# Altium PCB PCB1.PcbDoc (part 1 of 2) (continued)
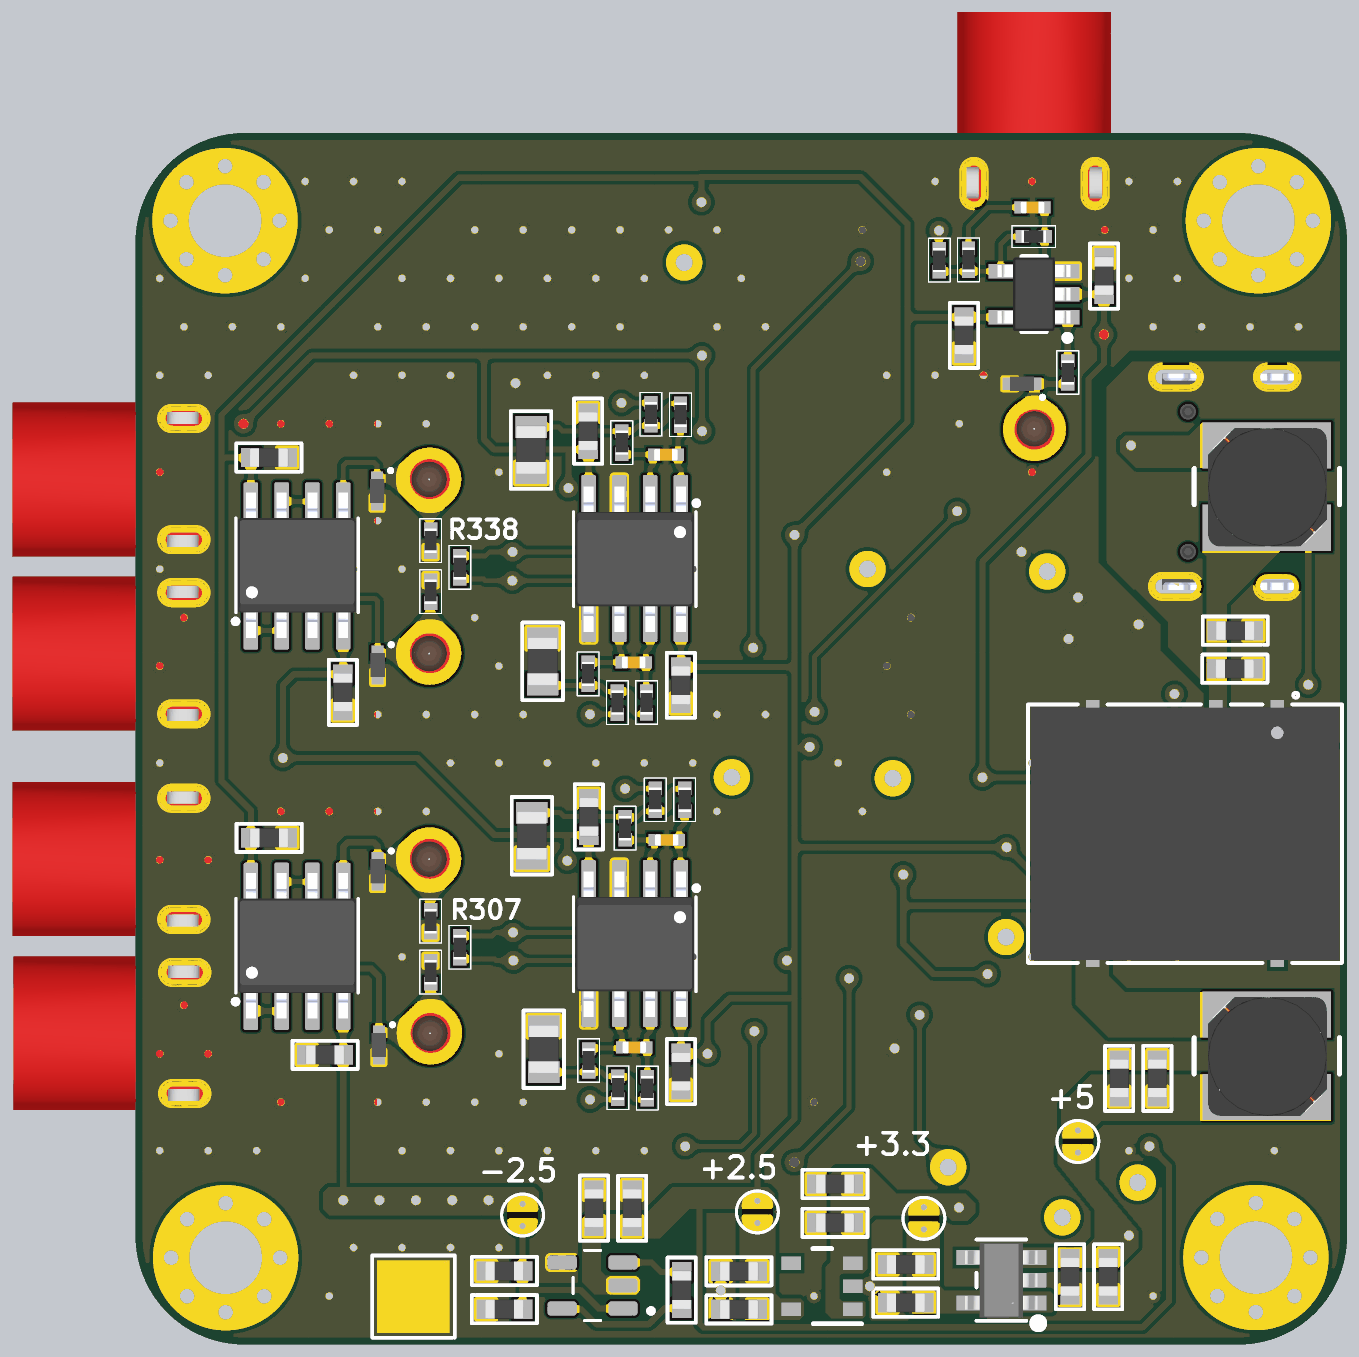
[diagram p6: 3D render of the assembled board from below, using the file's embedded part models]

## Layer stack, top to bottom
Top Solder: solder mask 0.2717, Solder Resist, Dk 3.5
TOP-SIG: signal copper 1.378
Dielectric 2: prepreg 8.2835, PP-006, Dk 4.1
GND1: plane copper 0.5984, net (Multiple Nets)
Dielectric 1: dielectric 41.9291, FR-4, Dk 4.8
GND2: plane copper 0.5984, net (Multiple Nets)
Dielectric 3: prepreg 8.2835, PP-006, Dk 4.1
BOT-SIG: signal copper 1.378
Bottom Solder: solder mask 0.2717, Solder Resist, Dk 3.5

## Board outline
175.83,0 cw(c175.83,175.83) 0,175.83 0,1791.85 cw(c176.65,1791.85) 176.65,1968.5 1790.95,1968.5 cw(c1790.95,1790.95) 1968.5,1790.95 1968.5,176.68 cw(c1791.82,176.68) 1791.82,0

## Design rules (kind name [scope] priority, off if disabled: settings)
Clearance [All] p1: gap=6 ignorepadtopadclearanceinfootprint=FALSE
DiffPairsRouting [All] p1: maxlimit=10 minlimit=10 mostfreqgap=10 toplayer_minwidth=8 toplayer_maxwidth=15 toplayer_prefwidth=15 bottomlayer_minwidth=8 bottomlayer_maxwidth=15 bottomlayer_prefwidth=15 maxuncoupledlength=500
PlaneClearance [All] p1: clearance=20
PlaneConnect [All] p1: planeconnectstyle=Relief reliefexpansion=20 reliefentries=4 reliefconductorwidth=10 reliefairgap=10
PolygonConnect PolygonConnect_1 [All vs IsNamedPolygon('+5_L04_P004')] p1: connectstyle=Direct reliefconductorwidth=10 reliefentries=4 polygonreliefangle="90 Angle" airgapwidth=10
PolygonConnect [InNet('+5')] p2: connectstyle=Direct reliefconductorwidth=10 reliefentries=4 polygonreliefangle="90 Angle" airgapwidth=10
RoutingVias [All] p1: holewidth=15.75 width=31.5 viastyle="Through Hole" minholewidth=15.75 minwidth=31.5 maxholewidth=15.75 maxwidth=31.5
SolderMaskExpansion [All] p1: expansion=4 istentingtop=FALSE
SupplyNets "Schematic Supply Nets_6" [InNet('+5_USB')] p1: voltage=0.000
SupplyNets "Schematic Supply Nets_5" [InNet('GND')] p2: voltage=0.000
SupplyNets "Schematic Supply Nets_4" [InNet('+2.5')] p3: voltage=0.000
SupplyNets "Schematic Supply Nets_3" [InNet('-2.5')] p4: voltage=0.000
SupplyNets "Schematic Supply Nets_2" [InNet('+3.3')] p5: voltage=0.000
SupplyNets "Schematic Supply Nets_1" [InNet('USB_GND')] p6: voltage=0.000
SupplyNets "Schematic Supply Nets" [InNet('+5')] p7: voltage=0.000
Width [All] p1: maxlimit=50 minlimit=8 preferedwidth=8 minimp=50.000000 maximp=50.000000 favimp=50.000000
27 further rules are at their usual default settings.

## Classes and differential pairs
component class Designator: ar C300 C301 C302 C303 C304 C305 C306 C307 C308 C309 C310 C311 C312 C313 C314 C315 C316 C317 C318 C319 C320 C321 C322 C323 C324 C325 C326 C327 C328 C329 C330 C331 C332 C333 C334 C335 C336 C337 C338 C339 C340 C341 C342 C343 C344 C345 C346 C347 C348 R300 R301 R302 R303 R304 R305 R306 R307 R308 R309 R310 R311 R312 R313 R314 R315 R316 R317 R318 R319 R320 R321 R322 R323 R324 R325 R326 R327 R328 R329 R330 R331 R332 R333 R334 R335 R336 R337 R338 R339 R340 R341 R342 R343 R344 R345 R346 R347 R348 R349 R350 R351 R352 R353 R354 R355 R356 R357 R358 R359 R360 R361 R362 R363 R364 TP300 TP301 TP302 TP303 TP304 TP305 TP306 TP307 TP308 U300 U301 U302 U303 U304 U305 U306 U307 U308 U309 U310 U311
differential pair USB_D: +USB_D_P -USB_D_N

## Components (designator, comment, footprint, x,y, rotation, side; value= is the part's Value field where it differs from the comment)
C100 "4.7 uF, 35 VDC" CAP_0603 183.61,1163 r0 bottom
C101 "100 nF, 50 VDC" CAP_0603 184.24,1101 r0 bottom
C102 "100 nF, 50 VDC" CAP_0603 311.12,430.36 r270 bottom
C103 "4.7 uF, 35 VDC" CAP_0603 373.12,430.36 r270 bottom
C104 "2.2 uF, 10 VDC" CAP_0603 447,112 r90 bottom
C105 "100 nF, 50 VDC" CAP_0603 385,112 r90 bottom
C106 "2.2 uF, 10 VDC" CAP_0603 715,127 r180 bottom
C107 "100 nF, 50 VDC" CAP_0603 715,65 r180 bottom
C108 "2.2 uF, 10 VDC" CAP_0603 830,257.8 r180 bottom
C109 "100 nF, 50 VDC" CAP_0603 830,194.75 r180 bottom
C110 "100 nF, 50 VDC" CAP_0603 986,54 r180 bottom
C111 "2.2 uF, 10 VDC" CAP_0603 986,116 r180 bottom
C112 "1 nF, 50 VDC" CAP_0603 1078.04,90.42 r90 bottom
C113 "1 nF, 50 VDC" CAP_0603 1226.54,219.55 r270 bottom
C114 "100 nF, 50 VDC" CAP_0603 1164.54,219.49 r270 bottom
C115 "100 nF, 50 VDC" CAP_0603 1367.1,54.36 r180 bottom
C116 "1 nF, 50 VDC" CAP_0603 1367.1,116.36 r180 bottom
C200 "100 nF, 50 VDC" CAP_0603 1658.53,467.62 r180 bottom
C201 "100 nF, 50 VDC" CAP_0603 1749.47,820.22 r180 bottom
C202 "100 nF, 50 VDC" CAP_0603 1628.6,1061.57 r90 bottom
C203 "100 nF, 50 VDC" CAP_0603 1749.78,1438.22 r180 bottom
C300 "100nF" WCAP-CSGP_0402_L1W0.5H0.5 1105.38,820.03 r0 bottom value="10nF, 50V"
C301 "100 nF, 50 VDC" CAP_0603 1228.88,859.25 r90 bottom
C302 "100 nF, 50 VDC" CAP_0603 1079.23,445.42 r90 bottom
C303 "33 uF, 6.3 VDC" CAP_0805 1325.38,827.72 r90 bottom
C304 "10nF" WCAP-CSGP_0402_L1W0.5H0.5 647.09,397.28 r270 top
C305 "1 nF, 50 VDC" CAP_0603 1356.9,757.49 r0 top
C306 "220nF" WCAP-CSGP_0402_L1W0.5H0.5 837.38,510.99 r180 top
C307 "1 nF, 50 VDC" CAP_0603 1356.9,529.75 r0 top
C308 "10nF" WCAP-CSGP_0402_L1W0.5H0.5 450.8,577.92 r0 top
C309 "220nF" WCAP-CSGP_0402_L1W0.5H0.5 1033.08,373.11 r270 top
C310 "100 nF, 50 VDC" CAP_0603 761.2,207.04 r90 top
C311 "100 nF, 50 VDC" CAP_0603 1070.96,445.12 r0 top
C312 "33 uF, 6.3 VDC" CAP_0805 681.02,809.88 r180 top
C313 "33 uF, 6.3 VDC" CAP_0805 682.16,667.46 r0 top
C314 "100 nF, 50 VDC" CAP_0603 556,577 r0 top
C315 "100 nF, 50 VDC" CAP_0603 270.26,375.52 r180 top
C316 "33 uF, 6.3 VDC" CAP_0805 1304.14,478.7 r270 bottom
C317 "100 nF, 50 VDC" CAP_0603 1185,789 r180 top
C318 "100 nF, 50 VDC" CAP_0603 938,596 r90 top
C319 "100nF" WCAP-CSGP_0402_L1W0.5H0.5 1158,482.81 r0 bottom value="10nF, 50V"
C320 "100 nF, 50 VDC" CAP_0603 922,834 r0 top
C321 "100 nF, 50 VDC" CAP_0603 694.02,735.46 r0 top
C322 "100nF" WCAP-CSGP_0402_L1W0.5H0.5 1106.59,1445.65 r0 bottom value="10nF, 50V"
C323 "100 nF, 50 VDC" CAP_0603 1230.14,1486.02 r90 bottom
C324 "100 nF, 50 VDC" CAP_0603 1079.35,1073.14 r90 bottom
C325 "33 uF, 6.3 VDC" CAP_0805 1326.8,1454.49 r90 bottom
C326 "10nF" WCAP-CSGP_0402_L1W0.5H0.5 437.42,1178.21 r0 top
C327 "1 nF, 50 VDC" CAP_0603 1358.32,1375.81 r0 top
C328 "220nF" WCAP-CSGP_0402_L1W0.5H0.5 656,1251 r270 top
C329 "1 nF, 50 VDC" CAP_0603 1358.32,1146.25 r0 top
C330 "10nF" WCAP-CSGP_0402_L1W0.5H0.5 321.53,1150.12 r270 top
C331 "220nF" WCAP-CSGP_0402_L1W0.5H0.5 865.7,1104.19 r270 top
C332 "100 nF, 50 VDC" CAP_0603 619.91,968.24 r180 top
C333 "100 nF, 50 VDC" CAP_0603 876,1209.57 r90 top
C334 "33 uF, 6.3 VDC" CAP_0805 931,1554 r180 top
C335 "33 uF, 6.3 VDC" CAP_0805 831,1451 r270 top
C336 "100 nF, 50 VDC" CAP_0603 251.87,988.86 r90 top
C337 "100 nF, 50 VDC" CAP_0603 515,777 r270 top
C338 "33 uF, 6.3 VDC" CAP_0805 1306,1109 r270 bottom
C339 "100 nF, 50 VDC" CAP_0603 1185,1397 r180 top
C340 "100 nF, 50 VDC" CAP_0603 938.09,1209.57 r90 top
C341 "100nF" WCAP-CSGP_0402_L1W0.5H0.5 1159.02,1108.44 r0 bottom value="10nF, 50V"
C342 "100 nF, 50 VDC" CAP_0603 1100.57,1447 r180 top
C343 "100 nF, 50 VDC" CAP_0603 866,1344 r180 top
C344 "470nF" WCAP-CSGP_0402_L1W0.5H0.5 510.97,1847.67 r0 bottom value="470nF, 50V"
C345 "100 nF, 50 VDC" CAP_0603 1007,1887 r270 top
C346 "100 nF, 50 VDC" CAP_0603 756.34,1643.09 r0 top
C347 "100 nF, 50 VDC" CAP_0603 397.68,1734.07 r270 bottom
C348 "100 nF, 50 VDC" CAP_0603 625.32,1637.78 r270 bottom
D100 "Blue, 3.2V" WL-SMCW_0603_H=0.7mm 95,630 r180 top
D101 "Red, 2V" WL-SMCW_0603_H=0.7mm 95,1104.68 r180 top
D102 "Yellow, 2V" WL-SMCW_0603_H=0.7mm 95,717 r180 top
D103 "Green, 3.2V" WL-SMCW_0603_H=0.7mm 96.45,803 r180 top
D104 "Pink" WL-SMCW_0603_H=0.7mm 96.45,891 r180 top
D200 "TPD1E1B04DPYR" DIO_TPD1E05U06DPYR 1573,486.63 r270 bottom
D201 "TPD1E1B04DPYR" DIO_TPD1E05U06DPYR 1575,769 r270 bottom
D202 "TPD1E1B04DPYR" DIO_TPD1E05U06DPYR 1575,1104 r270 bottom
D203 "TPD1E1B04DPYR" DIO_TPD1E05U06DPYR 1576,1387 r270 bottom
D204 "TPD1E1B04DPYR" DIO_TPD1E05U06DPYR 527.9,1561 r0 bottom
H100 "Mounting Hole 3mm" "3mm with via" 148,141.28 r0 top
H101 "Mounting Hole 3mm" "3mm with via" 144,1826 r0 top
H102 "Mounting Hole 3mm" "3mm with via" 1823,1826 r0 top
H103 "Mounting Hole 3mm" "3mm with via" 1822,141 r0 top
J100 "USB4105-GF-A" GCT_USB4105-GF-A 113.43,1401.94 r270 top value="USB-C 2.0 24-Pin (16+8 Dummy)"
J200 "DIN42802 1.5mm" "DIN42802-1.5MM SOCKET" 1488.9,506.17 r0 top value="DIN42802 3-Pin Female Socket"
J201 "DIN42802 1.5mm" "DIN42802-1.5MM SOCKET" 1490.35,789.17 r0 top value="DIN42802 3-Pin Female Socket"
J202 "DIN42802 1.5mm" "DIN42802-1.5MM SOCKET" 1490.32,1123.17 r0 top value="DIN42802 3-Pin Female Socket"
J203 "DIN42802 1.5mm" "DIN42802-1.5MM SOCKET" 1490.32,1406.17 r0 top value="DIN42802 3-Pin Female Socket"
J204 "DIN42802 1.5mm" "DIN42802-1.5MM SOCKET" 507.76,1486.73 r90 top value="DIN42802 3-Pin Female Socket"
L100 "22uH, 1A" Inductor_CDRH4D28 130.24,1394 r270 bottom
L101 "47uH, 1A" Inductor_CDRH4D28 130.24,469 r270 bottom
R100 "Resistor 1 KOhm 0603 1%" R0603 214.66,629.74 r0 top value="1 KOhm/0603/1%"
R101 "Resistor 5.1 KOhm 0402" R0402 151,1162 r0 top value="5.1 KOhm/0402/1%"
R102 "Resistor 5.1 KOhm 0402" R0402 70,1162 r180 top value="5.1 KOhm/0402/1%"
R103 "Resistor 1 KOhm 0603 1%" R0603 213.21,1104.68 r180 top value="1 KOhm/0603/1%"
R104 "Resistor 1 KOhm 0603 1%" R0603 214.66,716.83 r0 top value="1 KOhm/0603/1%"
R105 "Resistor 1 KOhm 0603 1%" R0603 214.66,803.91 r0 top value="1 KOhm/0603/1%"
R106 "Resistor 1 KOhm 0603 1%" R0603 214.66,891 r0 top value="1 KOhm/0603/1%"
R200 "Resistor 4.87 MOhm 0402 1%" R0402 1489,605 r270 bottom value="4.87 MOhm/0402/1%"
R201 "Resistor 4.87 MOhm 0402 1%" R0402 1489,687.87 r270 bottom value="4.87 MOhm/0402/1%"
R202 "Resistor 4.87 MOhm 0402 1%" R0402 1489,1223.29 r270 bottom value="4.87 MOhm/0402/1%"
R203 "Resistor 4.87 MOhm 0402 1%" R0402 1489,1306.16 r270 bottom value="4.87 MOhm/0402/1%"
R204 "Resistor 10 KOhm 0402 1%" R0402 453.74,1579.43 r90 bottom value="10 KOhm/0402/1%"
R300 "Resistor 4.87 MOhm 0402 1%" R0402 1076.13,885.16 r90 bottom value="4.87 MOhm/0402/1%"
R301 "Resistor 3.16 MOhm 0402 1%" R0402 1173,839 r90 bottom value="3.16 MOhm/0402/1%"
R302 "Resistor 48.7 KOhm 0402 1%" R0402 1124,885.16 r270 bottom value="48.7 KOhm/0402/1%"
R303 "Resistor 0 Ohm 0402" R0402 807.28,644.16 r180 top value="0 Ohm/0402/Jumper"
R304 "Resistor 4.87 MOhm 0402 1%" R0402 1326,688.05 r90 top value="4.87 MOhm/0402/1%"
R305 "Resistor 4.87 MOhm 0402 1%" R0402 1384,688.05 r90 top value="4.87 MOhm/0402/1%"
R306 "Resistor 0 Ohm 0402" R0402 880.28,576.21 r270 top value="0 Ohm/0402/Jumper"
R307 "Resistor 0 Ohm 0402" R0402 1441.57,645.37 r90 bottom value="0 Ohm/0402/Jumper"
R308 "Resistor 0 Ohm 0402" R0402 737.98,576.21 r90 top value="0 Ohm/0402/Jumper"
R309 "Resistor 4.22 KOhm 0402 1%" R0402 646.71,575.94 r270 top value="4.22 KOhm/0402/1%"
R310 "Resistor 60.4 KOhm 0402 1%" R0402 646.71,491.01 r270 top value="60.4 KOhm/0402/1%"
R311 "Resistor 138 KOhm 0402 1%" R0402 943,691 r270 top value="138 KOhm/0402/1%"
R312 "Resistor 14.5 KOhm 0402 0.5%" R0402 1080.5,372.97 r270 top value="14.5 KOhm/0402/0.5%"
R313 "Resistor 0 Ohm 0402" R0402 1025.49,778.63 r180 top value="0 Ohm/0402/Jumper"
R314 "Resistor 4.87 MOhm 0402 1%" R0402 1384.12,605.19 r270 top value="4.87 MOhm/0402/1%"
R315 "Resistor 2.87 MOhm 0402 1%" R0402 921.22,509.07 r0 top value="2.87 MOhm/0402/1%"
R316 "Resistor 255 Ohm 0402 1%" R0402 1069,505 r0 top value="255 Ohm/0402/1%"
R317 "Resistor 4.87 MOhm 0402 1%" R0402 1324.88,605.19 r270 top value="4.87 MOhm/0402/1%"
R318 "Resistor 54.9 KOhm 0402 1%" R0402 589.67,738 r180 top value="54.9 KOhm/0402/1%"
R319 "Resistor 255 Ohm 0402 1%" R0402 1151.87,505 r180 top value="255 Ohm/0402/1%"
R320 "Resistor 48.7 KOhm 0402 1%" R0402 1184.8,417.26 r270 bottom value="48.7 KOhm/0402/1%"
R321 "Resistor 2.87 MOhm 0402 1%" R0402 753.55,511.06 r0 top value="2.87 MOhm/0402/1%"
R322 "Resistor 150 KOhm 0402 1%" R0402 305.09,445.28 r270 top value="150 KOhm/0402/1%"
R323 "Resistor 3.16 MOhm 0402 1%" R0402 1232.23,461.42 r270 bottom value="3.16 MOhm/0402/1%"
R324 "Resistor 10 KOhm 0402 1%" R0402 305,526 r270 top value="10 KOhm/0402/1%"
R325 "Resistor 14.5 KOhm 0402 0.5%" R0402 694.51,423.13 r270 top value="14.5 KOhm/0402/0.5%"
R326 "Resistor 100 KOhm 0402 1%" R0402 463.99,292.97 r270 top value="100 KOhm/0402/1%"
R327 "Resistor 10 KOhm 0402 1%" R0402 511.42,292.7 r90 top value="10 KOhm/0402/1%"
R328 "Resistor 14.5 KOhm 0402 0.5%" R0402 832.85,576.21 r270 top value="14.5 KOhm/0402/0.5%"
R329 "Resistor 14.5 KOhm 0402 0.5%" R0402 785.42,576.21 r90 top value="14.5 KOhm/0402/0.5%"
R330 "Resistor 4.87 MOhm 0402 1%" R0402 1136.94,416.61 r270 bottom value="4.87 MOhm/0402/1%"
R331 "Resistor 4.87 MOhm 0402 1%" R0402 1082.95,1510.78 r90 bottom value="4.87 MOhm/0402/1%"
R332 "Resistor 3.16 MOhm 0402 1%" R0402 1178.42,1465.43 r90 bottom value="3.16 MOhm/0402/1%"
R333 "Resistor 48.7 KOhm 0402 1%" R0402 1130.99,1511.49 r270 bottom value="48.7 KOhm/0402/1%"
R334 "Resistor 0 Ohm 0402" R0402 630.43,1400.85 r180 top value="0 Ohm/0402/Jumper"
R335 "Resistor 4.87 MOhm 0402 1%" R0402 1325.89,1306.38 r90 top value="4.87 MOhm/0402/1%"
R336 "Resistor 4.87 MOhm 0402 1%" R0402 1385.63,1306.81 r90 top value="4.87 MOhm/0402/1%"
R337 "Resistor 0 Ohm 0402" R0402 700,1335 r270 top value="0 Ohm/0402/Jumper"
R338 "Resistor 0 Ohm 0402" R0402 1441.57,1262.65 r90 bottom value="0 Ohm/0402/Jumper"
R339 "Resistor 0 Ohm 0402" R0402 562.23,1335.7 r90 top value="0 Ohm/0402/Jumper"
R340 "Resistor 4.22 KOhm 0402 1%" R0402 371.3,1149.15 r270 top value="4.22 KOhm/0402/1%"
R341 "Resistor 60.4 KOhm 0402 1%" R0402 352,1083 r180 top value="60.4 KOhm/0402/1%"
R342 "Resistor 138 KOhm 0402 1%" R0402 943,1305 r270 top value="138 KOhm/0402/1%"
R343 "Resistor 14.5 KOhm 0402 0.5%" R0402 700,1252 r270 top value="14.5 KOhm/0402/0.5%"
R344 "Resistor 0 Ohm 0402" R0402 1020,1554.7 r270 top value="0 Ohm/0402/Jumper"
R345 "Resistor 4.87 MOhm 0402 1%" R0402 1385.63,1222.59 r270 top value="4.87 MOhm/0402/1%"
R346 "Resistor 2.87 MOhm 0402 1%" R0402 610,1252.42 r270 top value="2.87 MOhm/0402/1%"
R347 "Resistor 255 Ohm 0402 1%" R0402 1069,1124.94 r0 top value="255 Ohm/0402/1%"
R348 "Resistor 4.87 MOhm 0402 1%" R0402 1327,1222 r270 top value="4.87 MOhm/0402/1%"
R349 "Resistor 54.9 KOhm 0402 1%" R0402 830,1554.7 r270 top value="54.9 KOhm/0402/1%"
R350 "Resistor 255 Ohm 0402 1%" R0402 1151.87,1125.01 r180 top value="255 Ohm/0402/1%"
R351 "Resistor 48.7 KOhm 0402 1%" R0402 1185.57,1042.99 r270 bottom value="48.7 KOhm/0402/1%"
R352 "Resistor 2.87 MOhm 0402 1%" R0402 562.57,1252.42 r270 top value="2.87 MOhm/0402/1%"
R353 "Resistor 150 KOhm 0402 1%" R0402 387.99,744.38 r0 top value="150 KOhm/0402/1%"
R354 "Resistor 3.16 MOhm 0402 1%" R0402 1233,1089.61 r270 bottom value="3.16 MOhm/0402/1%"
R355 "Resistor 10 KOhm 0402 1%" R0402 388,696.94 r180 top value="10 KOhm/0402/1%"
R356 "Resistor 14.5 KOhm 0402 0.5%" R0402 528.47,1153.17 r270 top value="14.5 KOhm/0402/0.5%"
R357 "Resistor 100 KOhm 0402 1%" R0402 437,1083 r0 top value="100 KOhm/0402/1%"
R358 "Resistor 10 KOhm 0402 1%" R0402 437,1130.43 r180 top value="10 KOhm/0402/1%"
R359 "Resistor 14.5 KOhm 0402 0.5%" R0402 655,1335 r270 top value="14.5 KOhm/0402/0.5%"
R360 "Resistor 14.5 KOhm 0402 0.5%" R0402 609.76,1335.43 r90 top value="14.5 KOhm/0402/0.5%"
R361 "Resistor 4.87 MOhm 0402 1%" R0402 1138.14,1043.24 r270 bottom value="4.87 MOhm/0402/1%"
R362 "Resistor 10 KOhm 0402 1%" R0402 615.04,1762.41 r270 bottom value="10 KOhm/0402/1%"
R363 "Resistor 1 MOhm 0402 1%_1" R0402 508.91,1800.25 r0 bottom value="1 MOhm/0402/1%"
R364 "Resistor 10 KOhm 0402 1%" R0402 662.47,1761.98 r90 bottom value="10 KOhm/0402/1%"
SB100 "Open-circuit Solder Bridge" SolderBridgeOpen#1 437.26,329.85 r270 bottom
SB101 "Open-circuit Solder Bridge" SolderBridgeOpen#1 687.47,205 r90 bottom
SB102 "Open-circuit Solder Bridge" SolderBridgeOpen#2 958.04,215.42 r90 bottom
SB103 "Open-circuit Solder Bridge" SolderBridgeOpen#3 1339.57,210.42 r90 bottom
TP100 "Testpoint_SMD" TestPoint_Pad_3.0x3.0mm 1517,77.8 r90 bottom
TP101 "Testpoint_SMD" TestPoint_Pad_3.0x3.0mm 1515,77.8 r90 top